# KiCad board Left.kicad_pcb (continued)
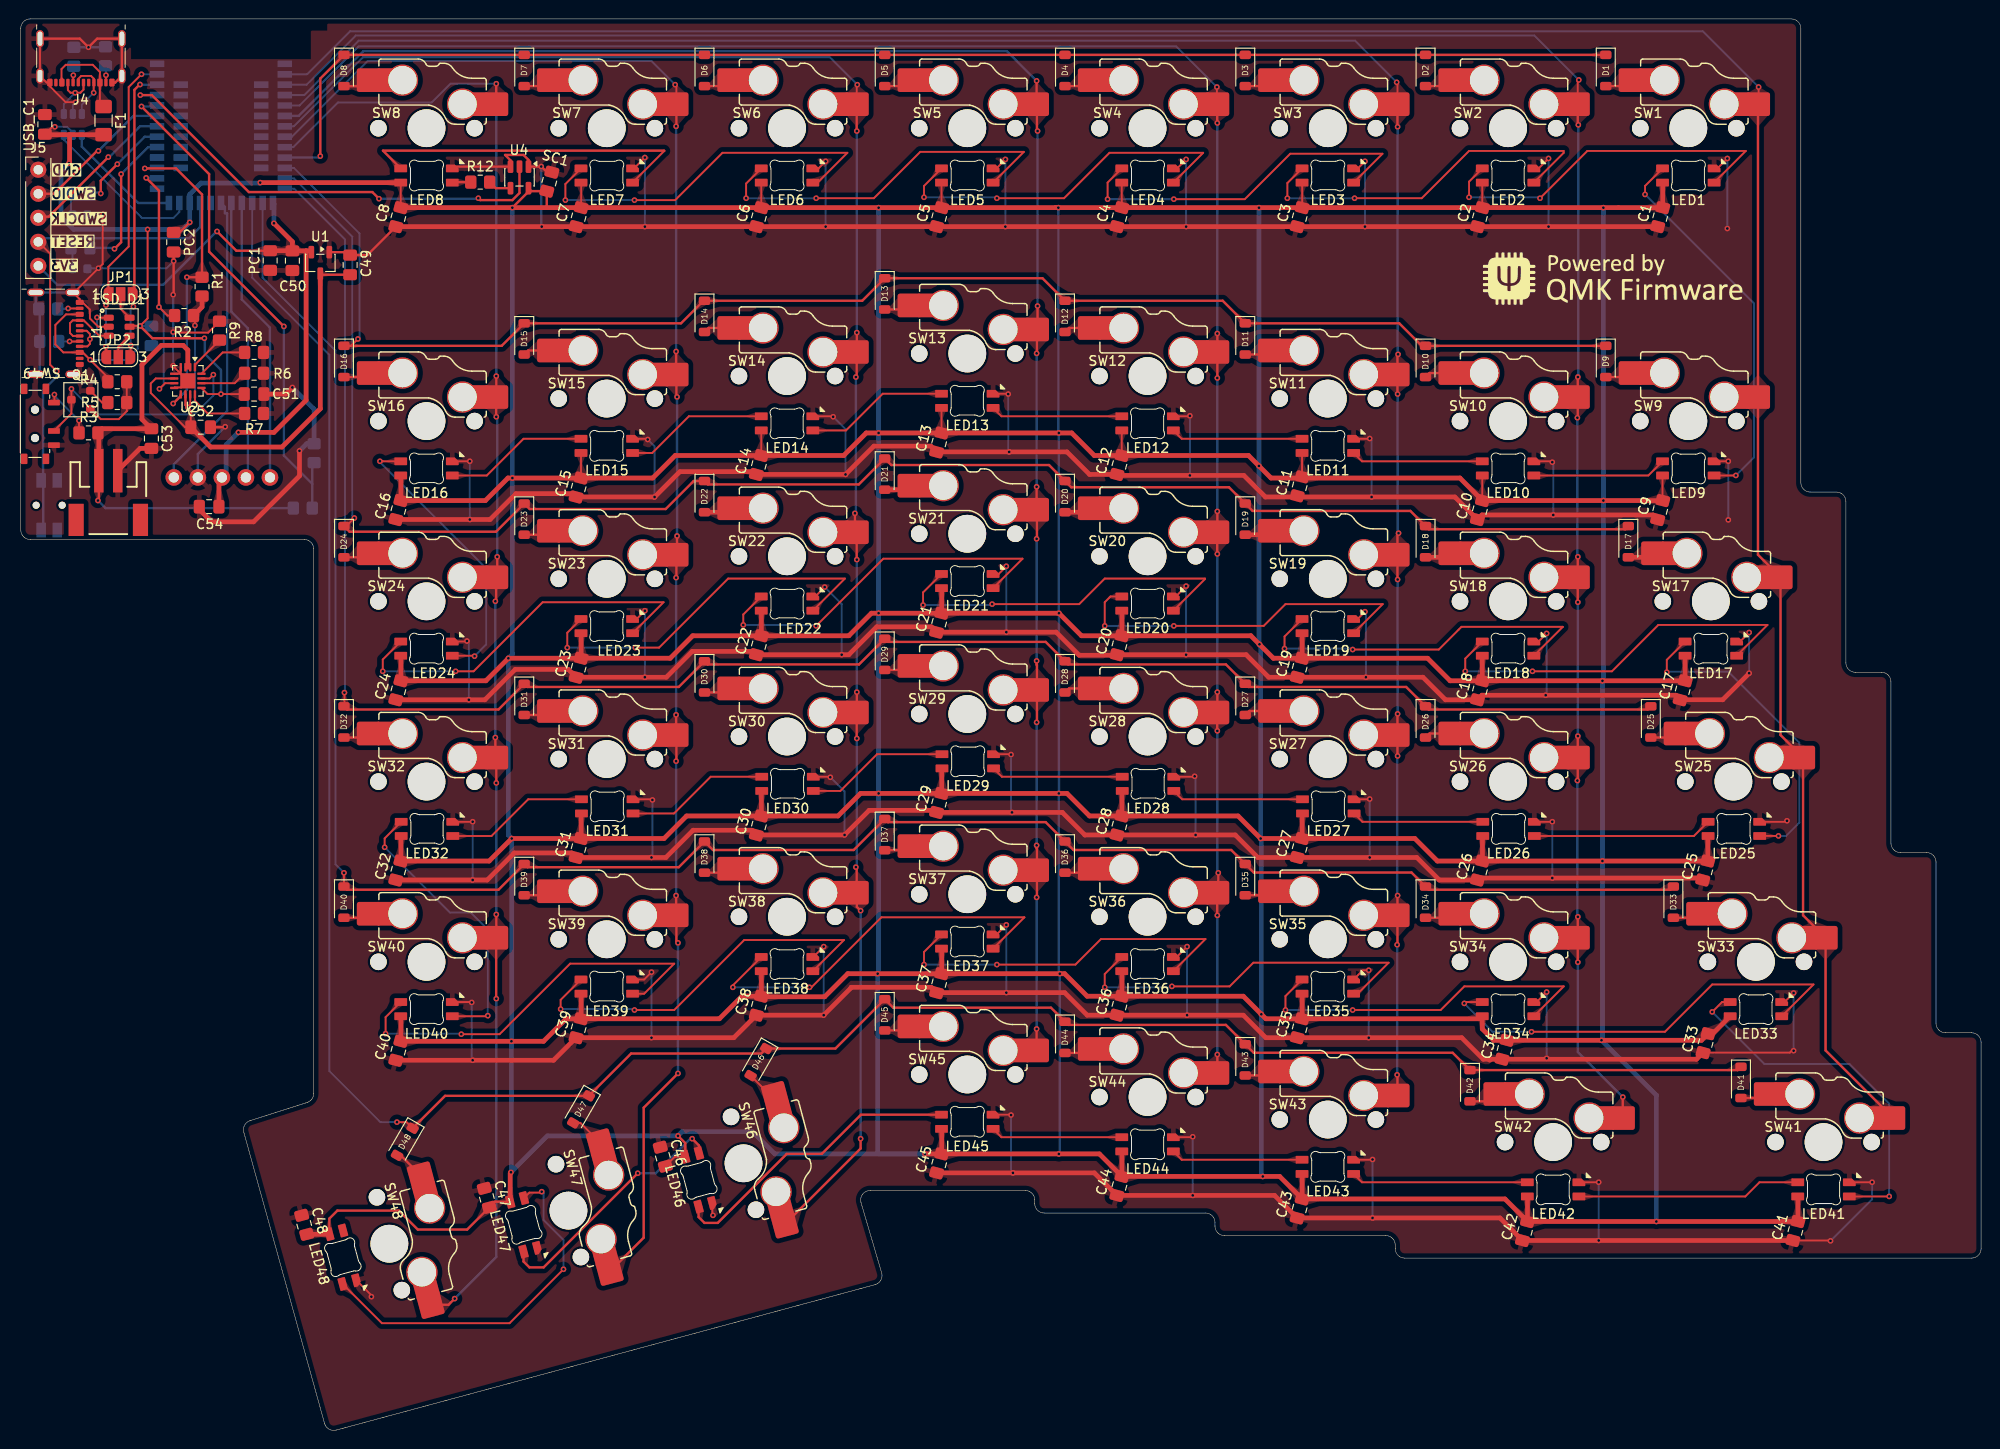
[diagram p0: board, top side]
## Routing (per net, layer and track width the routed paths; a pad name or vN(x,y) marks a point on that pad's centre or on a via; arc(x,y) is an arc through that point) (continued)
R_COL8: length 275
  Top w0.2: SW1.1 183.66,140.2 v1(183.66,141.95)
  Top w0.25: SW1.1 SW9.1 183.59,92.51 SW17.1 185.97,73.46 SW25.1 188.35,54.41 SW33.1 190.74,40.12 SW41.1
  Bottom w0.2: v1(183.66,141.95) 177.76,147.85 34.81,147.85 30.26,143.3 U3.2
R_LED1: length 2
  Top w0.2: 45.56,131.8 LED8.3
  Top w0.25: LED8.3 45.66,131.9 R12.1
R_LED_3v3_1: length 49.6
  Top w0.25: v1(48.36,130.2) 48.56,130 51.96,130 52.71,130.75 U4.2 ; v1(37.86,130.15) 37.16,130.85 24.11,130.85 13.86,141.1 v1(12.63,141.1)
  Bottom w0.25: v1(37.86,130.15) 48.31,130.15 v1(48.36,130.2) ; v1(12.63,141.1) U3.34
R_ROW1: length 148.9
  Top w0.25: v1(31.66,134.65) 31.66,142.85 D8.1 D1.1
  Bottom w0.25: v1(31.66,134.65) 31.51,134.5 U3.10
R_ROW2: length 163.1
  Top w0.2: v1(35.63,115.32) 34.91,114.6 D16.1
  Top w0.25: D9.1 D10.1 148.06,114.6 148.01,114.55 148.01,114.65 145.68,116.98 D11.1 127.03,119.36 D12.1 107.98,121.74 D13.1 88.93,119.36 D14.1 72.16,119.36 69.78,116.98 D15.1 50.83,114.6 D16.1
  Bottom w0.2: v1(35.63,115.32) 35.81,115.5 35.81,126.46 28.87,133.4 U3.11
R_ROW3: length 184.2
  Top w0.2: D24.1 34.41,95.55 v1(35.26,96.4)
  Top w0.25: D24.1 34.76,94.95 50.23,94.95 D23.1 53.79,97.35 68.16,97.35 71.12,100.31 D22.1 72.62,99.95 88.56,99.95 D21.1 92,102 108.67,102 D20.1 111.02,99.65 127.69,99.65 D19.1 130.19,97.15 146.86,97.15 D18.1 148.79,95.21 169.55,95.21 D17.1
  Bottom w0.2: U3.12 28.87,132.3 35.03,126.14 35.03,96.62 v1(35.26,96.4)
R_ROW4: length 203.1
  Top w0.2: v1(34.21,77.95) 34.21,76.55 D32.1
  Top w0.25: D25.1 171.93,76.16 148.79,76.16 D26.1 146.41,78.54 129.74,78.54 D27.1 127.36,80.92 110.69,80.92 D28.1 108.31,83.3 91.64,83.3 D29.1 88.59,80.92 72.59,80.92 D30.1 69.54,78.54 53.54,78.54 D31.1 50.49,76.16 34.49,76.16 D32.1
  Bottom w0.2: U3.13 28.91,131.2 34.26,125.85 34.26,78 v1(34.21,77.95)
R_ROW5: length 223.8
  Top w0.2: v1(34.16,58.9) D40.1
  Top w0.25: D40.1 34.49,57.11 50.49,57.11 D39.1 53.54,59.49 69.54,59.49 D38.1 73.16,61.31 88.02,61.31 D37.1 91.64,64.25 108.31,64.25 D36.1 111.26,61.31 127.93,61.31 D35.1 130.31,58.93 146.98,58.93 D34.1 148.79,57.11 174.31,57.11 D33.1
  Bottom w0.2: U3.15 25.56,121.8 33.26,114.1 33.26,59.8 v1(34.16,58.9)
R_ROW6: length 255.7
  Top w0.2: D48.1 40.76,32.55 v1(39.76,32.55)
  Top w0.25: D48.1 44.84,35.33 D47.1 64.5,39.8 78.25,39.8 D46.1 86.09,40.33 D45.1 92.21,44.64 108.88,44.64 D44.1 110.69,42.82 127.36,42.82 D43.1 130.31,39.88 151.33,39.88 D42.1 181.44,38.05 D41.1
  Bottom w0.2: U3.16 24.46,121.8 32.61,113.65 32.61,37.95 38.01,32.55 v1(39.76,32.55)
RESET: length 52.5
  Top w0.2: J5.4 3.11,124.33 3.11,112.6 v1(3.81,111.9)
  Bottom w0.2: v1(3.81,111.9) 3.75,111.9
  Bottom w0.25: U3.21 18.96,127.15 17.78,125.97 2.23,125.97 J5.4 ; v1(3.81,111.9) 3.81,111.35 2.36,109.9 2.36,100.58 Reset_Btn1.1 2.38,100.15 2.38,95.35 Reset_Btn1.1
SCK: length 29.8
  Bottom w0.25: U3.18 22.26,118.2 24.01,116.45 24.01,100.9 OLED1.2
SWDCLK: length 16.6
  Top w0.25: J5.3 1.97,128.25 2.96,128.25 v1(9.26,134.55)
  Bottom w0.25: v1(9.26,134.55) 9.36,134.55 12.61,137.8 U3.31
SWDIO: length 16
  Top w0.25: J5.2 3.53,130.67 8.06,135.2 v1(8.21,135.2)
  Bottom w0.25: U3.32 11.91,138.9 v1(8.21,135.2)
SYS_OFF: length 25.8
  Top w0.2: v1(5.36,110.05) 5.35,110.04 Q1.3 5.35,107.44 SW49.2 ; U2.15 19.96,111.15 v1(20.36,111.55)
  Bottom w0.2: v1(20.36,111.55) 20.36,109.35 18.36,107.35 8.06,107.35 v1(5.36,110.05)
USART_RX: length 33.1
  Top w0.2: JP2.1 v1(9.01,114.5) ; v1(9.01,118.9) 9.01,119.8 JP1.1 9.26,122.95 11.41,125.1 11.41,141.95 v1(12.76,143.3)
  Bottom w0.2: v1(12.76,143.3) U3.36 ; v1(9.01,114.5) v1(9.01,118.9)
USART_TX: length 31.1
  Top w0.2: JP2.3 v1(11.61,114.65) ; v1(11.91,118.75) 11.91,120 JP1.3
  Top w0.25: v1(12.61,142.21) 12.57,142.21 12.01,141.65 12.01,120.2 JP1.3
  Bottom w0.2: v1(11.61,114.65) 11.61,118.45 v1(11.91,118.75)
  Bottom w0.25: v1(12.61,142.21) 12.62,142.2 U3.35
VSENSE: length 54
  Top w0.25: v1(27.81,116.65) 19.91,124.55 19.91,132.75 v1(12.76,139.9)
  Bottom w0.25: R11.1 30.81,102.05 30.81,100 ; 30.81,100 R10.2 ; 30.81,100 27.81,103 v1(27.81,116.65) ; v1(12.76,139.9) 14.31,139.9 U3.33
Net-(B_LED1-A): length 2.4
  Bottom w0.2: B_LED1.2 5.31,128.61 R15.2
Net-(D1-A): length 2.9
  Top w0.25: SW1.2 169.51,142.05 D1.2
Net-(D2-A): length 2.9
  Top w0.25: SW2.2 150.46,142.05 D2.2
Net-(D3-A): length 2.9
  Top w0.25: D3.2 131.41,142.05 SW3.2
Net-(D4-A): length 2.9
  Top w0.25: SW4.2 112.36,142.05 D4.2
Net-(D5-A): length 2.9
  Top w0.25: SW5.2 93.31,142.05 D5.2
Net-(D6-A): length 2.9
  Top w0.25: SW6.2 74.26,142.05 D6.2
Net-(D7-A): length 2.9
  Top w0.25: D7.2 55.21,142.05 SW7.2
Net-(D8-A): length 7.5
  Top w0.25: 36.79,142.68 36.16,142.05 D8.2 37.91,142.05 SW8.2
Net-(D9-A): length 2.8
  Top w0.25: SW9.2 169.72,111.3 D9.2
Net-(D10-A): length 2.8
  Top w0.25: D10.2 148.88,111.72 SW10.2
Net-(D11-A): length 2.8
  Top w0.25: D11.2 131.49,113.68 131.91,114.1 SW11.2
Net-(D12-A): length 2.8
  Top w0.25: D12.2 110.78,116.48 SW12.2
Net-(D13-A): length 2.8
  Top w0.25: SW13.2 93.52,118.44 D13.2
Net-(D14-A): length 2.8
  Top w0.25: D14.2 72.68,116.48 SW14.2
Net-(D15-A): length 2.8
  Top w0.25: D15.2 53.63,114.1 SW15.2
Net-(D16-A): length 4.6
  Top w0.25: D16.2 38.12,111.3 SW16.2
Net-(D17-A): length 2.8
  Top w0.5: D17.2 172.1,92.25 SW17.2
Net-(D18-A): length 2.8
  Top w0.5: D18.2 150.67,92.25 SW18.2
Net-(D19-A): length 2.8
  Top w0.5: D19.2 131.62,94.63 SW19.2
Net-(D20-A): length 2.8
  Top w0.5: SW20.2 112.57,97.01 D20.2
Net-(D21-A): length 4.6
  Top w0.5: SW21.2 95.27,99.39 D21.2
Net-(D22-A): length 2.8
  Top w0.5: D22.2 74.47,97.01 SW22.2
Net-(D23-A): length 2.8
  Top w0.25: D23.2 55.42,94.63 SW23.2
Net-(D24-A): length 2.8
  Top w0.25: D24.2 36.37,92.25 36.79,92.67
Net-(D25-A): length 2.8
  Top w0.25: SW25.2 174.48,73.2 D25.2
Net-(D26-A): length 2.8
  Top w0.25: D26.2 148.88,73.62 SW26.2
Net-(D27-A): length 2.8
  Top w0.25: D27.2 129.83,76 SW27.2
Net-(D28-A): length 2.8
  Top w0.25: SW28.2 110.78,78.38 D28.2
Net-(D29-A): length 2.8
  Top w0.25: SW29.2 93.52,80.34 D29.2
Net-(D30-A): length 2.8
  Top w0.25: D30.2 74.47,77.96 SW30.2
Net-(D31-A): length 2.8
  Top w0.25: D31.2 55.42,75.58 SW31.2
Net-(D32-A): length 2.8
  Top w0.25: 36.79,73.62 36.37,73.2 D32.2
Net-(D33-A): length 4.6
  Top w0.25: D33.2 178.61,54.15 SW33.2
Net-(D34-A): length 2.8
  Top w0.25: D34.2 150.67,54.15 SW34.2
Net-(D35-A): length 4.6
  Top w0.25: D35.2 133.37,56.53 SW35.2
Net-(D36-A): length 2.8
  Top w0.25: D36.2 112.57,58.91 SW36.2
Net-(D37-A): length 4.6
  Top w0.25: D37.2 95.27,61.29 SW37.2
Net-(D38-A): length 2.8
  Top w0.25: D38.2 74.47,58.91 SW38.2
Net-(D39-A): length 2.8
  Top w0.25: D39.2 55.42,56.53 SW39.2
Net-(D40-A): length 4.6
  Top w0.25: SW40.2 38.12,54.15 D40.2
Net-(D41-A): length 4.6
  Top w0.25: D41.2 185.76,35.1 SW41.2
Net-(D42-A): length 4.8
  Top w0.25: SW42.2 156.83,34.75 D42.2
Net-(D43-A): length 2.8
  Top w0.25: SW43.2 131.62,37.48 D43.2
Net-(D44-A): length 2.8
  Top w0.25: SW44.2 112.57,39.86 D44.2
Net-(D45-A): length 2.8
  Top w0.25: SW45.2 93.52,42.24 D45.2
Net-(D46-A): length 5
  Top w0.2: D46.2 80.16,34.43 SW46.2
Net-(D47-A): length 3.7
  Top w0.2: D47.2 59.14,32.47 SW47.2
Net-(D48-A): length 3.4
  Top w0.25: D48.2 40.14,29.04 SW48.2
Net-(ESD_D1-L1-Pad1): length 7.3
  Top w0.2: v1(8.06,117.6) 8.09,117.56 ESD_D1.1 ; J1.A7 7.05,114.54 7.31,114.8 v1(7.31,115.3) 7.31,115.85 6.97,116.19 J1.B7
  Bottom w0.2: v1(8.06,117.6) 8.06,116.05 v1(7.31,115.3)
Net-(ESD_D1-L2-Pad3): length 7.1
  Top w0.2: ESD_D1.3 8.29,115.66 6.67,117.29 J1.A6 5.5,117.29 5.21,117 5.21,115.95 5.52,115.64 J1.B6
Net-(ESD_D2-L1-Pad1): length 6.2
  Top w0.2: J4.B7 6.63,141.67 6.31,141.35 v1(5.76,141.35) 5.26,141.35 4.98,141.62 J4.A7
  Bottom w0.2: v1(5.76,141.35) 4.55,140.14 4.55,139.1
Net-(ESD_D2-L2-Pad3): length 6.5
  Top w0.2: 6.08,142.42 6.08,142.82 6.39,143.12 7.43,143.12 7.73,142.82 J4.A6 7.71,142.4 v1(7.71,141.35)
  Bottom w0.2: v1(7.71,141.35) 6.45,140.09 ESD_D2.3
Net-(F1-Pad1): length 9.8
  Top w0.2: J4.A9 4.35,142.84 4.31,142.88 4.31,143.85 4.76,144.3 7.61,144.3 8.37,143.54 J4.A4 8.37,140.27 F1.1
Net-(G_LED1-A): length 2.3
  Bottom w0.2: G_LED1.2 5.47,124.78 R17.2
Net-(J1-CC1): length 3.3
  Top w0.2: v1(5.01,118.55) 6.22,118.55 J1.A5
  Bottom w0.2: USBR1.1 4.96,118.5 v1(5.01,118.55) 4.06,118.55
Net-(J1-CC2): length 2
  Top w0.2: J1.B5 6.19,115.05 5.17,115.05 v1(5.16,115.06)
  Bottom w0.2: v1(5.16,115.06) 4.21,115.06
Net-(J4-CC1): length 1.8
  Top w0.2: J4.A5 9,143.19 v1(9.01,143.2)
  Bottom w0.2: R13.1 9.01,144.15 v1(9.01,143.2)
Net-(J4-CC2): length 1.8
  Top w0.2: v1(5.56,143.2) 5.53,143.17 J4.B5
  Bottom w0.2: R14.1 5.56,144.1 v1(5.56,143.2)
Net-(LED1-DIN): length 39.7
  Top w0.2: v1(153.06,130.3) 153.06,131.95 LED2.2 ; LED1.3 182.31,135.2 165.56,135.2 v1(160.56,130.2)
  Bottom w0.2: v1(160.56,130.2) 160.46,130.3 v1(153.06,130.3)
Net-(LED1-DOUT): length 41.1
  Top w0.2: v1(181.26,100.9) 181.07,100.9 181.06,100.89 LED9.3 ; LED1.2 171.66,131.5 v1(171.66,130.6)
  Bottom w0.2: v1(181.26,100.9) 183.16,102.8 183.16,119.1 v1(171.66,130.6)
Net-(LED2-DIN): length 39.7
  Top w0.2: LED3.2 133.86,131.8 v1(133.86,130.2) ; LED2.3 163.06,135 163.06,135.2 153.06,135.2 148.06,130.2 v1(140.96,130.2)
  Bottom w0.2: v1(133.86,130.2) v1(140.96,130.2)
Net-(LED3-DIN): length 39.2
  Top w0.2: LED4.2 114.86,131.85 v1(114.86,130.1) ; v1(121.86,130.1) 129.36,130.1 134.16,134.9 143.91,134.9 LED3.3
  Bottom w0.2: v1(114.86,130.1) v1(121.86,130.1)
Net-(LED4-DIN): length 39.8
  Top w0.2: LED5.2 95.46,131.5 v1(95.46,130.3) ; v1(103.16,130.2) 110.26,130.2 115.06,135 124.96,135 LED4.3
  Bottom w0.2: v1(95.46,130.3) 103.06,130.3 v1(103.16,130.2)
Net-(LED5-DIN): length 39.8
  Top w0.2: v1(76.66,130.2) 76.66,131.75 LED6.2 ; v1(84.06,130.2) 90.16,130.2 95.06,135.1 106.01,135.1 LED5.3
  Bottom w0.2: v1(76.66,130.2) v1(84.06,130.2)
Net-(LED6-DIN): length 40.9
  Top w0.2: LED7.2 57.56,131.7 v1(57.56,130) ; v1(64.86,130) 69.16,130 74.16,135 87.36,135 84.21,131.85 LED6.3
  Bottom w0.2: v1(57.56,130) v1(64.86,130)
Net-(LED7-DIN): length 37.1
  Top w0.2: 68.01,135.2 LED7.3
  Top w0.25: LED8.2 38.28,135.22 67.98,135.22 68.01,135.2
Net-(LED10-DIN): length 14.2
  Top w0.2: LED9.2 172.01,100.89 LED10.3
Net-(LED10-DOUT): length 14
  Top w0.2: LED11.3 141.74,102.39 LED10.2
Net-(LED11-DOUT): length 14
  Top w0.2: LED11.2 122.69,104.77 LED12.3
Net-(LED12-DOUT): length 14
  Top w0.2: LED12.2 103.64,107.15 LED13.3
Net-(LED13-DOUT): length 15.2
  Top w0.2: LED13.2 91.09,109.53 87.21,105.65 LED14.3
Net-(LED14-DOUT): length 15.2
  Top w0.2: LED14.2 70.61,107.15 66.73,103.27 LED15.3
Net-(LED15-DOUT): length 15.2
  Top w0.2: LED15.2 53.13,104.77 49.25,100.89 LED16.3
Net-(LED16-DOUT): length 30.3
  Top w0.2: v1(47.96,81.8) 47.91,81.84 LED24.3 ; LED16.2 38.25,102.39 38.24,102.4 v1(37.96,102.4)
  Bottom w0.2: v1(47.96,81.8) 49.19,83.03 49.19,91.07 37.96,102.3 v1(37.96,102.4)
Net-(LED17-DIN): length 42.5
  Top w0.2: LED17.3 184.59,85.1 173.06,85.1 168.16,80.2 v1(159.76,80.2) ; LED18.2 152.66,81.54 v1(152.66,80.2)
  Bottom w0.2: v1(152.66,80.2) v1(159.76,80.2)
Net-(LED17-DOUT): length 34.4
  Top w0.2: LED17.2 173.96,81.41 v1(173.96,80.1) ; v1(185.76,62.8) 183.78,62.8 LED25.3
  Bottom w0.2: v1(173.96,80.1) 174.01,80.15 180.46,80.15 187.96,72.65 187.96,64.2 186.56,62.8 v1(185.76,62.8)
Net-(LED18-DIN): length 39.1
  Top w0.2: 135.69,85.98 135.73,85.88 135.57,85.72 LED19.2 133.56,83.87 v1(133.56,82.6) ; LED18.3 162.96,84.89 162.96,84.9 152.26,84.9 149.86,82.5 v1(140.76,82.5)
  Bottom w0.2: v1(140.76,82.5) 140.66,82.6 v1(133.56,82.6)
Net-(LED19-DIN): length 39.2
  Top w0.2: v1(114.56,85) 114.56,87.5 115.16,88.1 LED20.2 ; v1(121.86,85) 131.36,85 133.66,87.3 143.93,87.3 LED19.3
  Bottom w0.2: v1(114.56,85) v1(121.86,85)
Net-(LED20-DIN): length 39.8
  Top w0.2: LED20.3 125.16,89.95 125.16,90 114.56,90 111.86,87.3 v1(102.66,87.3) ; v1(95.36,87.2) 95.36,88.53 LED21.2
  Bottom w0.2: v1(95.36,87.2) 102.56,87.2 v1(102.66,87.3)
Net-(LED21-DIN): length 40.7
  Top w0.2: LED21.3 105.86,92.08 105.86,92.1 91.16,92.1 v1(84.06,85) ; v1(76.36,85.1) 76.36,86.2 LED22.2
  Bottom w0.2: v1(76.36,85.1) 83.96,85.1 v1(84.06,85)
Net-(LED22-DIN): length 40.8
  Top w0.2: LED22.3 87.1,90 74.76,90 67.46,82.7 v1(64.96,82.7) ; LED23.2 57.76,84.27 v1(57.76,82.7)
  Bottom w0.2: v1(57.76,82.7) v1(64.96,82.7)
Net-(LED23-DIN): length 41.3
  Top w0.2: v1(38.26,80.2) 38.26,81.44 LED24.2 ; LED23.3 67.93,87.5 55.16,87.5 47.86,80.2 v1(45.96,80.2)
  Bottom w0.2: v1(38.26,80.2) v1(45.96,80.2)
Net-(LED25-DOUT): length 19
  Top w0.2: LED26.3 176.82,62.79 LED25.2
Net-(LED26-DOUT): length 14
  Top w0.2: LED27.3 141.79,64.29 LED26.2
Net-(LED27-DOUT): length 14
  Top w0.2: LED28.3 122.74,66.67 LED27.2
Net-(LED28-DOUT): length 14
  Top w0.2: LED28.2 103.69,69.05 LED29.3
Net-(LED29-DOUT): length 15.2
  Top w0.2: LED30.3 86.61,67.55 90.49,71.43 LED29.2
Net-(LED30-DOUT): length 15.2
  Top w0.2: LED30.2 72.91,69.05 69.03,65.17 LED31.3
Net-(LED31-DOUT): length 15.2
  Top w0.2: LED31.2 53.63,66.67 49.75,62.79 LED32.3
Net-(LED32-DOUT): length 30.8
  Top w0.2: v1(38.46,61.6) 38.46,62.54 LED32.2 ; LED40.3 49.3,43.74 v1(49.36,43.8)
  Bottom w0.2: v1(38.46,61.6) 45.36,54.7 47.56,54.7 49.36,52.9 v1(49.36,43.8)
Net-(LED33-DIN): length 46.9
  Top w0.2: LED33.3 189.46,47.1 178.76,47.1 173.76,42.1 v1(159.66,42.1) ; LED34.2 152.7,45.24 v1(152.56,45.1)
  Bottom w0.2: v1(159.66,42.1) 155.56,42.1 v1(152.56,45.1)
Net-(LED33-DOUT): length 39.1
  Top w0.2: v1(178.76,44.2) 179.8,45.24 LED33.2 ; LED41.3 197.45,24.69 v1(197.46,24.7)
  Bottom w0.2: v1(178.76,44.2) 184.26,38.7 193.26,38.7 197.46,34.5 v1(197.46,24.7)
Net-(LED34-DIN): length 38.9
  Top w0.2: LED34.3 163.06,46.9 152.56,46.9 150.06,44.4 v1(140.76,44.4) ; v1(133.66,44.4) 133.66,45.87 LED35.2
  Bottom w0.2: v1(133.66,44.4) v1(140.76,44.4)
Net-(LED35-DIN): length 40.1
  Top w0.2: v1(121.66,46.9) 127.76,46.9 130.26,49.4 144.56,49.4 141.28,46.12 LED35.3 ; LED36.2 114.56,48.2 v1(114.56,46.8)
  Bottom w0.2: v1(121.66,46.9) 121.56,46.8 v1(114.56,46.8)
Net-(LED36-DIN): length 39.6
  Top w0.2: v1(103.16,49.2) 111.46,49.2 114.16,51.9 125.2,51.9 LED36.3 ; LED37.2 95.46,50.53 v1(95.46,49.2)
  Bottom w0.2: v1(95.46,49.2) v1(103.16,49.2)
Net-(LED37-DIN): length 43
  Top w0.2: v1(75.26,46.8) 75.26,47 LED38.2 ; LED37.3 106.06,54.18 106.06,54.2 90.96,54.2 83.56,46.8 v1(83.36,46.8)
  Bottom w0.2: v1(75.26,46.8) v1(83.36,46.8)
Net-(LED38-DIN): length 41.7
  Top w0.2: v1(64.86,44.4) 69.06,44.4 76.46,51.8 87,51.8 LED38.3 ; LED39.2 57.06,45.47 v1(57.06,44.5)
  Bottom w0.2: v1(57.06,44.5) 64.76,44.5 v1(64.86,44.4)
Net-(LED39-DIN): length 43.3
  Top w0.2: v1(46.56,41.84) 50.6,41.84 58.06,49.3 69.06,49.3 65.88,46.12 LED39.3 ; v1(38.56,41.9) 38.56,43.64 LED40.2
  Bottom w0.2: v1(46.56,41.84) 46.5,41.9 v1(38.56,41.9)
Net-(LED41-DOUT): length 23.7
  Top w0.2: LED41.2 183.75,26.19 182.25,24.69 LED42.3
Net-(LED42-DOUT): length 18.7
  Top w0.2: LED43.3 141.74,26.19 LED42.2
Net-(LED43-DOUT): length 14
  Top w0.2: LED43.2 122.69,28.57 LED44.3
Net-(LED44-DOUT): length 14
  Top w0.2: LED44.2 103.64,30.95 LED45.3
Net-(LED45-DOUT): length 31.8
  Top w0.25: LED46.3 71.64,22.52 72.26,21.9 73.66,21.9 80.96,29.2 84.66,29.2 88.79,33.33 LED45.2
Net-(LED46-DOUT): length 26.6
  Top w0.25: v1(70.96,30.8) 71.68,30.08 LED46.2 ; LED47.3 53.14,17.82 53.76,17.2 55.26,17.2 v1(65.21,27.15)
  Bottom w0.25: v1(70.96,30.8) 70.76,30.8 67.11,27.15 v1(65.21,27.15)
Net-(LED47-DOUT): length 39.2
  Top w0.2: v1(55.06,25.2) 54.96,25.1 53.75,25.1 LED47.2 ; LED48.3 38.17,11.3 51.66,11.3 v1(57.36,17)
  Top w0.25: 52.86,24.84 LED47.2
  Bottom w0.2: v1(57.36,17) 57.36,20.1 55.26,22.2 55.26,25 v1(55.06,25.2)
Net-(Q1-G): length 7.8
  Top w0.2: R4.1 R5.2 11.21,108.59 11.21,107.7 10.36,106.85 8.45,106.85 Q1.1
Net-(SW49-A): length 6
  Top w0.2: v1(3.56,109.45) 3.56,108.65 SW49.1 ; R3.1 v1(6.16,106.7)
  Bottom w0.2: v1(6.16,106.7) 3.56,109.3 v1(3.56,109.45)
Net-(U2-ILIM): length 6.5
  Top w0.2: U2.12 18.41,108.8 19.76,107.45 R7.2
Net-(U2-ISET): length 5.5
  Top w0.2: R8.2 21.34,113.9 U2.16
Net-(U2-TMR): length 5
  Top w0.2: U2.14 22.61,110.65 R6.2
Net-(U2-TS): length 3.9
  Top w0.2: R9.2 18.41,112.6 U2.1
Net-(U4-Y): length 2.5
  Top w0.25: U4.4 50.19,131.26 R12.2

## Copper pours and planes (outline as drawn; the poured copper is in the pictures)
GND on Top, Bottom: -19.03,154.27 209.57,151.88 209.57,-7.66 -19.03,-10.04

Small or netless copper shapes (teardrops, artwork), in the pictures only: 628 on Top, 22 on Bottom

## Text on the board
F.Silkscreen: 3V3 | GND | RESET | SWDIO | SWDCLK
